# KiCad board untitled.kicad_pcb (continued)
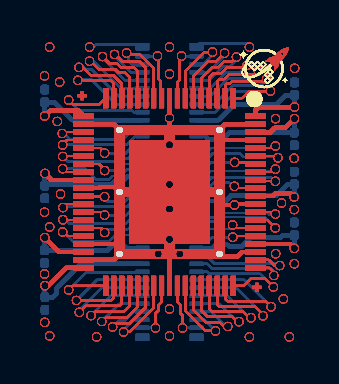
[diagram p0: board, top side]
## Routing (per net, layer and track width the routed paths; a pad name or vN(x,y) marks a point on that pad's centre or on a via; arc(x,y) is an arc through that point) (continued)
  vias: v1(0,11.39) v1(0,11.39) v1(0,11.39) v1(0,11.39) v1(0,11.39) v1(0,11.39) v1(0,11.39) v1(0,11.39) v1(0,11.39) v1(0,11.39) v1(0,11.39) v1(0,11.39) v1(0,11.39) v1(0,11.39) v1(0,11.39) v1(0,11.39) v1(0,11.39) v1(0,11.39) v1(0,11.39) v1(0,11.39) v1(0,11.39) v1(0,11.39) v1(0,11.39) v1(0,11.39) v1(0,11.39) v1(0,11.39) v1(0,11.39) v1(0,11.39) v1(0,11.39) v1(0,11.39) v1(0,11.39) v1(0,11.39) v1(0,11.39) v1(0,11.39) v1(0,11.39) v1(0,11.39) v1(0,11.39) v1(0,11.39) v1(0,11.39) v1(0,11.39) v1(0,11.39) v1(0,11.39) v1(0,4.57) v1(0,4.57) v1(0,4.57) v1(0,4.57) v1(0,4.57) v1(0,4.57) v1(0,4.57) v1(0,4.57) v1(0,4.57) v1(0,4.57) v1(0,4.57) v1(0,4.57) v1(0,4.57) v1(0,4.57) v1(0,4.57) v1(0,4.57) v1(0,4.57) v1(0,4.57) v1(0,4.57) v1(0,4.57) v1(0,4.57) v1(0,4.57) v1(0,4.57) v1(0,4.57) v1(0,4.57) v1(0,4.57) v1(0,4.57) v1(0,4.57) v1(0,4.57) v1(0,4.57) v1(0,4.57) v1(0,4.57) v1(0,4.57) v1(0,4.57) v1(0,4.57) v1(0,4.57) v1(0,4.57) v1(0,4.57) v1(0,4.57) v1(0,4.57) v1(0,4.57) v1(0,4.57) v1(0,1.48) v1(0,1.48) v1(0,1.48) v1(0,1.48) v1(0,1.48) v1(0,1.48) v1(0,1.48) v1(0,1.48) v1(0,1.48) v1(0,1.48) v1(0,1.48) v1(0,1.48) v1(0,1.48) v1(0,1.48) v1(0,1.48) v1(0,1.48) v1(0,1.48) v1(0,1.48) v1(0,1.48) v1(0,1.48) v1(0,1.48) v1(0,1.48) v1(0,1.48) v1(0,1.48) v1(0,1.48) v1(0,1.48) v1(0,1.48) v1(0,1.48) v1(0,1.48) v1(0,1.48) v1(0,1.48) v1(0,1.48) v1(0,1.48) v1(0,1.48) v1(0,1.48) v1(0,1.48) v1(0,1.48) v1(0,1.48) v1(0,1.48) v1(0,1.48) v1(0,1.48) v1(0,1.48) v1(0.01,-0.94) v1(0.01,-0.94) v1(0.01,-0.94) v1(0.01,-0.94) v1(0.01,-0.94) v1(0.01,-0.94) v1(0.01,-0.94) v1(0.01,-0.94) v1(0.01,-0.94) v1(0.01,-0.94) v1(0.01,-0.94) v1(0.01,-0.94) v1(0.01,-0.94) v1(0.01,-0.94) v1(0.01,-0.94) v1(0.01,-0.94) v1(0.01,-0.94) v1(0.01,-0.94) v1(0.01,-0.94) v1(0.01,-0.94) v1(0.01,-0.94) v1(0.01,-0.94) v1(0.01,-0.94) v1(0.01,-0.94) v1(0.01,-0.94) v1(0.01,-0.94) v1(0.01,-0.94) v1(0.01,-0.94) v1(0.01,-0.94) v1(0.01,-0.94) v1(0.01,-0.94) v1(0.01,-0.94) v1(0.01,-0.94) v1(0.01,-0.94) v1(0.01,-0.94) v1(0.01,-0.94) v1(0.01,-0.94) v1(0.01,-0.94) v1(0.01,-0.94) v1(0.01,-0.94) v1(0.01,-0.94) v1(0.01,-0.94) v1(0.26,12.83) v1(0.26,12.83) v1(0.26,12.83) v1(0.26,12.83) v1(0.26,12.83) v1(0.26,12.83) v1(0.26,12.83) v1(0.26,12.83) v1(0.26,12.83) v1(0.26,12.83) v1(0.26,12.83) v1(0.26,12.83) v1(0.26,12.83) v1(0.26,12.83) v1(0.26,12.83) v1(0.26,12.83) v1(0.26,12.83) v1(0.26,12.83) v1(0.26,12.83) v1(0.26,12.83) v1(0.26,12.83) v1(0.26,12.83) v1(0.26,12.83) v1(0.26,12.83) v1(0.26,12.83) v1(0.26,12.83) v1(0.26,12.83) v1(0.26,12.83) v1(0.26,12.83) v1(0.26,12.83) v1(0.26,12.83) v1(0.26,12.83) v1(0.26,12.83) v1(0.26,12.83) v1(0.26,12.83) v1(0.26,12.83) v1(0.26,12.83) v1(0.26,12.83) v1(0.26,12.83) v1(0.26,12.83) v1(0.26,12.83) v1(0.26,12.83) v1(0.26,3.83) v1(0.26,3.83) v1(0.26,3.83) v1(0.26,3.83) v1(0.26,3.83) v1(0.26,3.83) v1(0.26,3.83) v1(0.26,3.83) v1(0.26,3.83) v1(0.26,3.83) v1(0.26,3.83) v1(0.26,3.83) v1(0.26,3.83) v1(0.26,3.83) v1(0.26,3.83) v1(0.26,3.83) v1(0.26,3.83) v1(0.26,3.83) v1(0.26,3.83) v1(0.26,3.83) v1(0.26,3.83) v1(0.26,3.83) v1(0.26,3.83) v1(0.26,3.83) v1(0.26,3.83) v1(0.26,3.83) v1(0.26,3.83) v1(0.26,3.83) v1(0.26,3.83) v1(0.26,3.83) v1(0.26,3.83) v1(0.26,3.83) v1(0.26,3.83) v1(0.26,3.83) v1(0.26,3.83) v1(0.26,3.83) v1(0.26,3.83) v1(0.26,3.83) v1(0.26,3.83) v1(0.26,3.83) v1(0.26,3.83) v1(0.26,3.83) v1(0.26,-1.62) v1(0.26,-1.62) v1(0.26,-1.62) v1(0.26,-1.62) v1(0.26,-1.62) v1(0.26,-1.62) v1(0.26,-1.62) v1(0.26,-1.62) v1(0.26,-1.62) v1(0.26,-1.62) v1(0.26,-1.62) v1(0.26,-1.62) v1(0.26,-1.62) v1(0.26,-1.62) v1(0.26,-1.62) v1(0.26,-1.62) v1(0.26,-1.62) v1(0.26,-1.62) v1(0.26,-1.62) v1(0.26,-1.62) v1(0.26,-1.62) v1(0.26,-1.62) v1(0.26,-1.62) v1(0.26,-1.62) v1(0.26,-1.62) v1(0.26,-1.62) v1(0.26,-1.62) v1(0.26,-1.62) v1(0.26,-1.62) v1(0.26,-1.62) v1(0.26,-1.62) v1(0.26,-1.62) v1(0.26,-1.62) v1(0.26,-1.62) v1(0.26,-1.62) v1(0.26,-1.62) v1(0.26,-1.62) v1(0.26,-1.62) v1(0.26,-1.62) v1(0.26,-1.62) v1(0.26,-1.62) v1(0.26,-1.62) v1(0.64,9.11) v1(0.64,9.11) v1(0.64,9.11) v1(0.64,9.11) v1(0.64,9.11) v1(0.64,9.11) v1(0.64,9.11) v1(0.64,9.11) v1(0.64,9.11) v1(0.64,9.11) v1(0.64,9.11) v1(0.64,9.11) v1(0.64,9.11) v1(0.64,9.11) v1(0.64,9.11) v1(0.64,9.11) v1(0.64,9.11) v1(0.64,9.11) v1(0.64,9.11) v1(0.64,9.11) v1(0.64,9.11) v1(0.64,9.11) v1(0.64,9.11) v1(0.64,9.11) v1(0.64,9.11) v1(0.64,9.11) v1(0.64,9.11) v1(0.64,9.11) v1(0.64,9.11) v1(0.64,9.11) v1(0.64,9.11) v1(0.64,9.11) v1(0.64,9.11) v1(0.64,9.11) v1(0.64,9.11) v1(0.64,9.11) v1(0.64,9.11) v1(0.64,9.11) v1(0.64,9.11) v1(0.64,9.11) v1(0.64,9.11) v1(0.64,9.11) v1(0.76,11.08) v1(0.76,11.08) v1(0.76,11.08) v1(0.76,11.08) v1(0.76,11.08) v1(0.76,11.08) v1(0.76,11.08) v1(0.76,11.08) v1(0.76,11.08) v1(0.76,11.08) v1(0.76,11.08) v1(0.76,11.08) v1(0.76,11.08) v1(0.76,11.08) v1(0.76,11.08) v1(0.76,11.08) v1(0.76,11.08) v1(0.76,11.08) v1(0.76,11.08) v1(0.76,11.08) v1(0.76,11.08) v1(0.76,11.08) v1(0.76,11.08) v1(0.76,11.08) v1(0.76,11.08) v1(0.76,11.08) v1(0.76,11.08) v1(0.76,11.08) v1(0.76,11.08) v1(0.76,11.08) v1(0.76,11.08) v1(0.76,11.08) v1(0.76,11.08) v1(0.76,11.08) v1(0.76,11.08) v1(0.76,11.08) v1(0.76,11.08) v1(0.76,11.08) v1(0.76,11.08) v1(0.76,11.08) v1(0.76,11.08) v1(0.76,11.08) v1(0.8,5.48) v1(0.8,5.48) v1(0.8,5.48) v1(0.8,5.48) v1(0.8,5.48) v1(0.8,5.48) v1(0.8,5.48) v1(0.8,5.48) v1(0.8,5.48) v1(0.8,5.48) v1(0.8,5.48) v1(0.8,5.48) v1(0.8,5.48) v1(0.8,5.48) v1(0.8,5.48) v1(0.8,5.48) v1(0.8,5.48) v1(0.8,5.48) v1(0.8,5.48) v1(0.8,5.48) v1(0.8,5.48) v1(0.8,5.48) v1(0.8,5.48) v1(0.8,5.48) v1(0.8,5.48) v1(0.8,5.48) v1(0.8,5.48) v1(0.8,5.48) v1(0.8,5.48) v1(0.8,5.48) v1(0.8,5.48) v1(0.8,5.48) v1(0.8,5.48) v1(0.8,5.48) v1(0.8,5.48) v1(0.8,5.48) v1(0.8,5.48) v1(0.8,5.48) v1(0.8,5.48) v1(0.8,5.48) v1(0.8,5.48) v1(0.8,5.48) v1(2.26,12.83) v1(2.26,12.83) v1(2.26,12.83) v1(2.26,12.83) v1(2.26,12.83) v1(2.26,12.83) v1(2.26,12.83) v1(2.26,12.83) v1(2.26,12.83) v1(2.26,12.83) v1(2.26,12.83) v1(2.26,12.83) v1(2.26,12.83) v1(2.26,12.83) v1(2.26,12.83) v1(2.26,12.83) v1(2.26,12.83) v1(2.26,12.83) v1(2.26,12.83) v1(2.26,12.83) v1(2.26,12.83) v1(2.26,12.83) v1(2.26,12.83) v1(2.26,12.83) v1(2.26,12.83) v1(2.26,12.83) v1(2.26,12.83) v1(2.26,12.83) v1(2.26,12.83) v1(2.26,12.83) v1(2.26,12.83) v1(2.26,12.83) v1(2.26,12.83) v1(2.26,12.83) v1(2.26,12.83) v1(2.26,12.83) v1(2.26,12.83) v1(2.26,12.83) v1(2.26,12.83) v1(2.26,12.83) v1(2.26,12.83) v1(2.26,12.83) v1(2.61,-1.67) v1(2.61,-1.67) v1(2.61,-1.67) v1(2.61,-1.67) v1(2.61,-1.67) v1(2.61,-1.67) v1(2.61,-1.67) v1(2.61,-1.67) v1(2.61,-1.67) v1(2.61,-1.67) v1(2.61,-1.67) v1(2.61,-1.67) v1(2.61,-1.67) v1(2.61,-1.67) v1(2.61,-1.67) v1(2.61,-1.67) v1(2.61,-1.67) v1(2.61,-1.67) v1(2.61,-1.67) v1(2.61,-1.67) v1(2.61,-1.67) v1(2.61,-1.67) v1(2.61,-1.67) v1(2.61,-1.67) v1(2.61,-1.67) v1(2.61,-1.67) v1(2.61,-1.67) v1(2.61,-1.67) v1(2.61,-1.67) v1(2.61,-1.67) v1(2.61,-1.67) v1(2.61,-1.67) v1(2.61,-1.67) v1(2.61,-1.67) v1(2.61,-1.67) v1(2.61,-1.67) v1(2.61,-1.67) v1(2.61,-1.67) v1(2.61,-1.67) v1(2.61,-1.67) v1(2.61,-1.67) v1(2.61,-1.67) v1(6.26,12.83) v1(6.26,12.83) v1(6.26,12.83) v1(6.26,12.83) v1(6.26,12.83) v1(6.26,12.83) v1(6.26,12.83) v1(6.26,12.83) v1(6.26,12.83) v1(6.26,12.83) v1(6.26,12.83) v1(6.26,12.83) v1(6.26,12.83) v1(6.26,12.83) v1(6.26,12.83) v1(6.26,12.83) v1(6.26,12.83) v1(6.26,12.83) v1(6.26,12.83) v1(6.26,12.83) v1(6.26,12.83) v1(6.26,12.83) v1(6.26,12.83) v1(6.26,12.83) v1(6.26,12.83) v1(6.26,12.83) v1(6.26,12.83) v1(6.26,12.83) v1(6.26,12.83) v1(6.26,12.83) v1(6.26,12.83) v1(6.26,12.83) v1(6.26,12.83) v1(6.26,12.83) v1(6.26,12.83) v1(6.26,12.83) v1(6.26,12.83) v1(6.26,12.83) v1(6.26,12.83) v1(6.26,12.83) v1(6.26,12.83) v1(6.26,12.83) v1(6.26,11.48) v1(6.26,11.48) v1(6.26,11.48) v1(6.26,11.48) v1(6.26,11.48) v1(6.26,11.48) v1(6.26,11.48) v1(6.26,11.48) v1(6.26,11.48) v1(6.26,11.48) v1(6.26,11.48) v1(6.26,11.48) v1(6.26,11.48) v1(6.26,11.48) v1(6.26,11.48) v1(6.26,11.48) v1(6.26,11.48) v1(6.26,11.48) v1(6.26,11.48) v1(6.26,11.48) v1(6.26,11.48) v1(6.26,11.48) v1(6.26,11.48) v1(6.26,11.48) v1(6.26,11.48) v1(6.26,11.48) v1(6.26,11.48) v1(6.26,11.48) v1(6.26,11.48) v1(6.26,11.48) v1(6.26,11.48) v1(6.26,11.48) v1(6.26,11.48) v1(6.26,11.48) v1(6.26,11.48) v1(6.26,11.48) v1(6.26,11.48) v1(6.26,11.48) v1(6.26,11.48) v1(6.26,11.48) v1(6.26,11.48) v1(6.26,11.48) v1(6.26,-0.27) v1(6.26,-0.27) v1(6.26,-0.27) v1(6.26,-0.27) v1(6.26,-0.27) v1(6.26,-0.27) v1(6.26,-0.27) v1(6.26,-0.27) v1(6.26,-0.27) v1(6.26,-0.27) v1(6.26,-0.27) v1(6.26,-0.27) v1(6.26,-0.27) v1(6.26,-0.27) v1(6.26,-0.27) v1(6.26,-0.27) v1(6.26,-0.27) v1(6.26,-0.27) v1(6.26,-0.27) v1(6.26,-0.27) v1(6.26,-0.27) v1(6.26,-0.27) v1(6.26,-0.27) v1(6.26,-0.27) v1(6.26,-0.27) v1(6.26,-0.27) v1(6.26,-0.27) v1(6.26,-0.27) v1(6.26,-0.27) v1(6.26,-0.27) v1(6.26,-0.27) v1(6.26,-0.27) v1(6.26,-0.27) v1(6.26,-0.27) v1(6.26,-0.27) v1(6.26,-0.27) v1(6.26,-0.27) v1(6.26,-0.27) v1(6.26,-0.27) v1(6.26,-0.27) v1(6.26,-0.27) v1(6.26,-0.27) v1(6.26,-1.62) v1(6.26,-1.62) v1(6.26,-1.62) v1(6.26,-1.62) v1(6.26,-1.62) v1(6.26,-1.62) v1(6.26,-1.62) v1(6.26,-1.62) v1(6.26,-1.62) v1(6.26,-1.62) v1(6.26,-1.62) v1(6.26,-1.62) v1(6.26,-1.62) v1(6.26,-1.62) v1(6.26,-1.62) v1(6.26,-1.62) v1(6.26,-1.62) v1(6.26,-1.62) v1(6.26,-1.62) v1(6.26,-1.62) v1(6.26,-1.62) v1(6.26,-1.62) v1(6.26,-1.62) v1(6.26,-1.62) v1(6.26,-1.62) v1(6.26,-1.62) v1(6.26,-1.62) v1(6.26,-1.62) v1(6.26,-1.62) v1(6.26,-1.62) v1(6.26,-1.62) v1(6.26,-1.62) v1(6.26,-1.62) v1(6.26,-1.62) v1(6.26,-1.62) v1(6.26,-1.62) v1(6.26,-1.62) v1(6.26,-1.62) v1(6.26,-1.62) v1(6.26,-1.62) v1(6.26,-1.62) v1(6.26,-1.62) v1(10.26,-1.67) v1(10.26,-1.67) v1(10.26,-1.67) v1(10.26,-1.67) v1(10.26,-1.67) v1(10.26,-1.67) v1(10.26,-1.67) v1(10.26,-1.67) v1(10.26,-1.67) v1(10.26,-1.67) v1(10.26,-1.67) v1(10.26,-1.67) v1(10.26,-1.67) v1(10.26,-1.67) v1(10.26,-1.67) v1(10.26,-1.67) v1(10.26,-1.67) v1(10.26,-1.67) v1(10.26,-1.67) v1(10.26,-1.67) v1(10.26,-1.67) v1(10.26,-1.67) v1(10.26,-1.67) v1(10.26,-1.67) v1(10.26,-1.67) v1(10.26,-1.67) v1(10.26,-1.67) v1(10.26,-1.67) v1(10.26,-1.67) v1(10.26,-1.67) v1(10.26,-1.67) v1(10.26,-1.67) v1(10.26,-1.67) v1(10.26,-1.67) v1(10.26,-1.67) v1(10.26,-1.67) v1(10.26,-1.67) v1(10.26,-1.67) v1(10.26,-1.67) v1(10.26,-1.67) v1(10.26,-1.67) v1(10.26,-1.67) v1(11.57,9.25) v1(11.57,9.25) v1(11.57,9.25) v1(11.57,9.25) v1(11.57,9.25) v1(11.57,9.25) v1(11.57,9.25) v1(11.57,9.25) v1(11.57,9.25) v1(11.57,9.25) v1(11.57,9.25) v1(11.57,9.25) v1(11.57,9.25) v1(11.57,9.25) v1(11.57,9.25) v1(11.57,9.25) v1(11.57,9.25) v1(11.57,9.25) v1(11.57,9.25) v1(11.57,9.25) v1(11.57,9.25) v1(11.57,9.25) v1(11.57,9.25) v1(11.57,9.25) v1(11.57,9.25) v1(11.57,9.25) v1(11.57,9.25) v1(11.57,9.25) v1(11.57,9.25) v1(11.57,9.25) v1(11.57,9.25) v1(11.57,9.25) v1(11.57,9.25) v1(11.57,9.25) v1(11.57,9.25) v1(11.57,9.25) v1(11.57,9.25) v1(11.57,9.25) v1(11.57,9.25) v1(11.57,9.25) v1(11.57,9.25) v1(11.57,9.25) v1(11.58,2.49) v1(11.58,2.49) v1(11.58,2.49) v1(11.58,2.49) v1(11.58,2.49) v1(11.58,2.49) v1(11.58,2.49) v1(11.58,2.49) v1(11.58,2.49) v1(11.58,2.49) v1(11.58,2.49) v1(11.58,2.49) v1(11.58,2.49) v1(11.58,2.49) v1(11.58,2.49) v1(11.58,2.49) v1(11.58,2.49) v1(11.58,2.49) v1(11.58,2.49) v1(11.58,2.49) v1(11.58,2.49) v1(11.58,2.49) v1(11.58,2.49) v1(11.58,2.49) v1(11.58,2.49) v1(11.58,2.49) v1(11.58,2.49) v1(11.58,2.49) v1(11.58,2.49) v1(11.58,2.49) v1(11.58,2.49) v1(11.58,2.49) v1(11.58,2.49) v1(11.58,2.49) v1(11.58,2.49) v1(11.58,2.49) v1(11.58,2.49) v1(11.58,2.49) v1(11.58,2.49) v1(11.58,2.49) v1(11.58,2.49) v1(11.58,2.49) v1(11.87,5.03) v1(11.87,5.03) v1(11.87,5.03) v1(11.87,5.03) v1(11.87,5.03) v1(11.87,5.03) v1(11.87,5.03) v1(11.87,5.03) v1(11.87,5.03) v1(11.87,5.03) v1(11.87,5.03) v1(11.87,5.03) v1(11.87,5.03) v1(11.87,5.03) v1(11.87,5.03) v1(11.87,5.03) v1(11.87,5.03) v1(11.87,5.03) v1(11.87,5.03) v1(11.87,5.03) v1(11.87,5.03) v1(11.87,5.03) v1(11.87,5.03) v1(11.87,5.03) v1(11.87,5.03) v1(11.87,5.03) v1(11.87,5.03) v1(11.87,5.03) v1(11.87,5.03) v1(11.87,5.03) v1(11.87,5.03) v1(11.87,5.03) v1(11.87,5.03) v1(11.87,5.03) v1(11.87,5.03) v1(11.87,5.03) v1(11.87,5.03) v1(11.87,5.03) v1(11.87,5.03) v1(11.87,5.03) v1(11.87,5.03) v1(11.87,5.03) v1(11.96,0.23) v1(11.96,0.23) v1(11.96,0.23) v1(11.96,0.23) v1(11.96,0.23) v1(11.96,0.23) v1(11.96,0.23) v1(11.96,0.23) v1(11.96,0.23) v1(11.96,0.23) v1(11.96,0.23) v1(11.96,0.23) v1(11.96,0.23) v1(11.96,0.23) v1(11.96,0.23) v1(11.96,0.23) v1(11.96,0.23) v1(11.96,0.23) v1(11.96,0.23) v1(11.96,0.23) v1(11.96,0.23) v1(11.96,0.23) v1(11.96,0.23) v1(11.96,0.23) v1(11.96,0.23) v1(11.96,0.23) v1(11.96,0.23) v1(11.96,0.23) v1(11.96,0.23) v1(11.96,0.23) v1(11.96,0.23) v1(11.96,0.23) v1(11.96,0.23) v1(11.96,0.23) v1(11.96,0.23) v1(11.96,0.23) v1(11.96,0.23) v1(11.96,0.23) v1(11.96,0.23) v1(11.96,0.23) v1(11.96,0.23) v1(11.96,0.23) v1(12.26,-1.67) v1(12.26,-1.67) v1(12.26,-1.67) v1(12.26,-1.67) v1(12.26,-1.67) v1(12.26,-1.67) v1(12.26,-1.67) v1(12.26,-1.67) v1(12.26,-1.67) v1(12.26,-1.67) v1(12.26,-1.67) v1(12.26,-1.67) v1(12.26,-1.67) v1(12.26,-1.67) v1(12.26,-1.67) v1(12.26,-1.67) v1(12.26,-1.67) v1(12.26,-1.67) v1(12.26,-1.67) v1(12.26,-1.67) v1(12.26,-1.67) v1(12.26,-1.67) v1(12.26,-1.67) v1(12.26,-1.67) v1(12.26,-1.67) v1(12.26,-1.67) v1(12.26,-1.67) v1(12.26,-1.67) v1(12.26,-1.67) v1(12.26,-1.67) v1(12.26,-1.67) v1(12.26,-1.67) v1(12.26,-1.67) v1(12.26,-1.67) v1(12.26,-1.67) v1(12.26,-1.67) v1(12.26,-1.67) v1(12.26,-1.67) v1(12.26,-1.67) v1(12.26,-1.67) v1(12.26,-1.67) v1(12.26,-1.67) v1(12.5,7.27) v1(12.5,7.27) v1(12.5,7.27) v1(12.5,7.27) v1(12.5,7.27) v1(12.5,7.27) v1(12.5,7.27) v1(12.5,7.27) v1(12.5,7.27) v1(12.5,7.27) v1(12.5,7.27) v1(12.5,7.27) v1(12.5,7.27) v1(12.5,7.27) v1(12.5,7.27) v1(12.5,7.27) v1(12.5,7.27) v1(12.5,7.27) v1(12.5,7.27) v1(12.5,7.27) v1(12.5,7.27) v1(12.5,7.27) v1(12.5,7.27) v1(12.5,7.27) v1(12.5,7.27) v1(12.5,7.27) v1(12.5,7.27) v1(12.5,7.27) v1(12.5,7.27) v1(12.5,7.27) v1(12.5,7.27) v1(12.5,7.27) v1(12.5,7.27) v1(12.5,7.27) v1(12.5,7.27) v1(12.5,7.27) v1(12.5,7.27) v1(12.5,7.27) v1(12.5,7.27) v1(12.5,7.27) v1(12.5,7.27) v1(12.5,7.27) v1(12.51,4.7) v1(12.51,4.7) v1(12.51,4.7) v1(12.51,4.7) v1(12.51,4.7) v1(12.51,4.7) v1(12.51,4.7) v1(12.51,4.7) v1(12.51,4.7) v1(12.51,4.7) v1(12.51,4.7) v1(12.51,4.7) v1(12.51,4.7) v1(12.51,4.7) v1(12.51,4.7) v1(12.51,4.7) v1(12.51,4.7) v1(12.51,4.7) v1(12.51,4.7) v1(12.51,4.7) v1(12.51,4.7) v1(12.51,4.7) v1(12.51,4.7) v1(12.51,4.7) v1(12.51,4.7) v1(12.51,4.7) v1(12.51,4.7) v1(12.51,4.7) v1(12.51,4.7) v1(12.51,4.7) v1(12.51,4.7) v1(12.51,4.7) v1(12.51,4.7) v1(12.51,4.7) v1(12.51,4.7) v1(12.51,4.7) v1(12.51,4.7) v1(12.51,4.7) v1(12.51,4.7) v1(12.51,4.7) v1(12.51,4.7) v1(12.51,4.7) v1(12.51,1.99) v1(12.51,1.99) v1(12.51,1.99) v1(12.51,1.99) v1(12.51,1.99) v1(12.51,1.99) v1(12.51,1.99) v1(12.51,1.99) v1(12.51,1.99) v1(12.51,1.99) v1(12.51,1.99) v1(12.51,1.99) v1(12.51,1.99) v1(12.51,1.99) v1(12.51,1.99) v1(12.51,1.99) v1(12.51,1.99) v1(12.51,1.99) v1(12.51,1.99) v1(12.51,1.99) v1(12.51,1.99) v1(12.51,1.99) v1(12.51,1.99) v1(12.51,1.99) v1(12.51,1.99) v1(12.51,1.99) v1(12.51,1.99) v1(12.51,1.99) v1(12.51,1.99) v1(12.51,1.99) v1(12.51,1.99) v1(12.51,1.99) v1(12.51,1.99) v1(12.51,1.99) v1(12.51,1.99) v1(12.51,1.99) v1(12.51,1.99) v1(12.51,1.99) v1(12.51,1.99) v1(12.51,1.99) v1(12.51,1.99) v1(12.51,1.99) v1(12.53,11.77) v1(12.53,11.77) v1(12.53,11.77) v1(12.53,11.77) v1(12.53,11.77) v1(12.53,11.77) v1(12.53,11.77) v1(12.53,11.77) v1(12.53,11.77) v1(12.53,11.77) v1(12.53,11.77) v1(12.53,11.77) v1(12.53,11.77) v1(12.53,11.77) v1(12.53,11.77) v1(12.53,11.77) v1(12.53,11.77) v1(12.53,11.77) v1(12.53,11.77) v1(12.53,11.77) v1(12.53,11.77) v1(12.53,11.77) v1(12.53,11.77) v1(12.53,11.77) v1(12.53,11.77) v1(12.53,11.77) v1(12.53,11.77) v1(12.53,11.77) v1(12.53,11.77) v1(12.53,11.77) v1(12.53,11.77) v1(12.53,11.77) v1(12.53,11.77) v1(12.53,11.77) v1(12.53,11.77) v1(12.53,11.77) v1(12.53,11.77) v1(12.53,11.77) v1(12.53,11.77) v1(12.53,11.77) v1(12.53,11.77) v1(12.53,11.77)
